# Altium PCB CH32V307V-R2-1v1.PcbDoc (part 2 of 3)
Units mm, origin at the board's own origin, x right, y up, seen from the top; angles counter-clockwise.
Board outline 80 x 115 mm, 2 copper layers (Top Layer, Bottom Layer); 122 components, 134 nets, 559 pads, 721 vias.
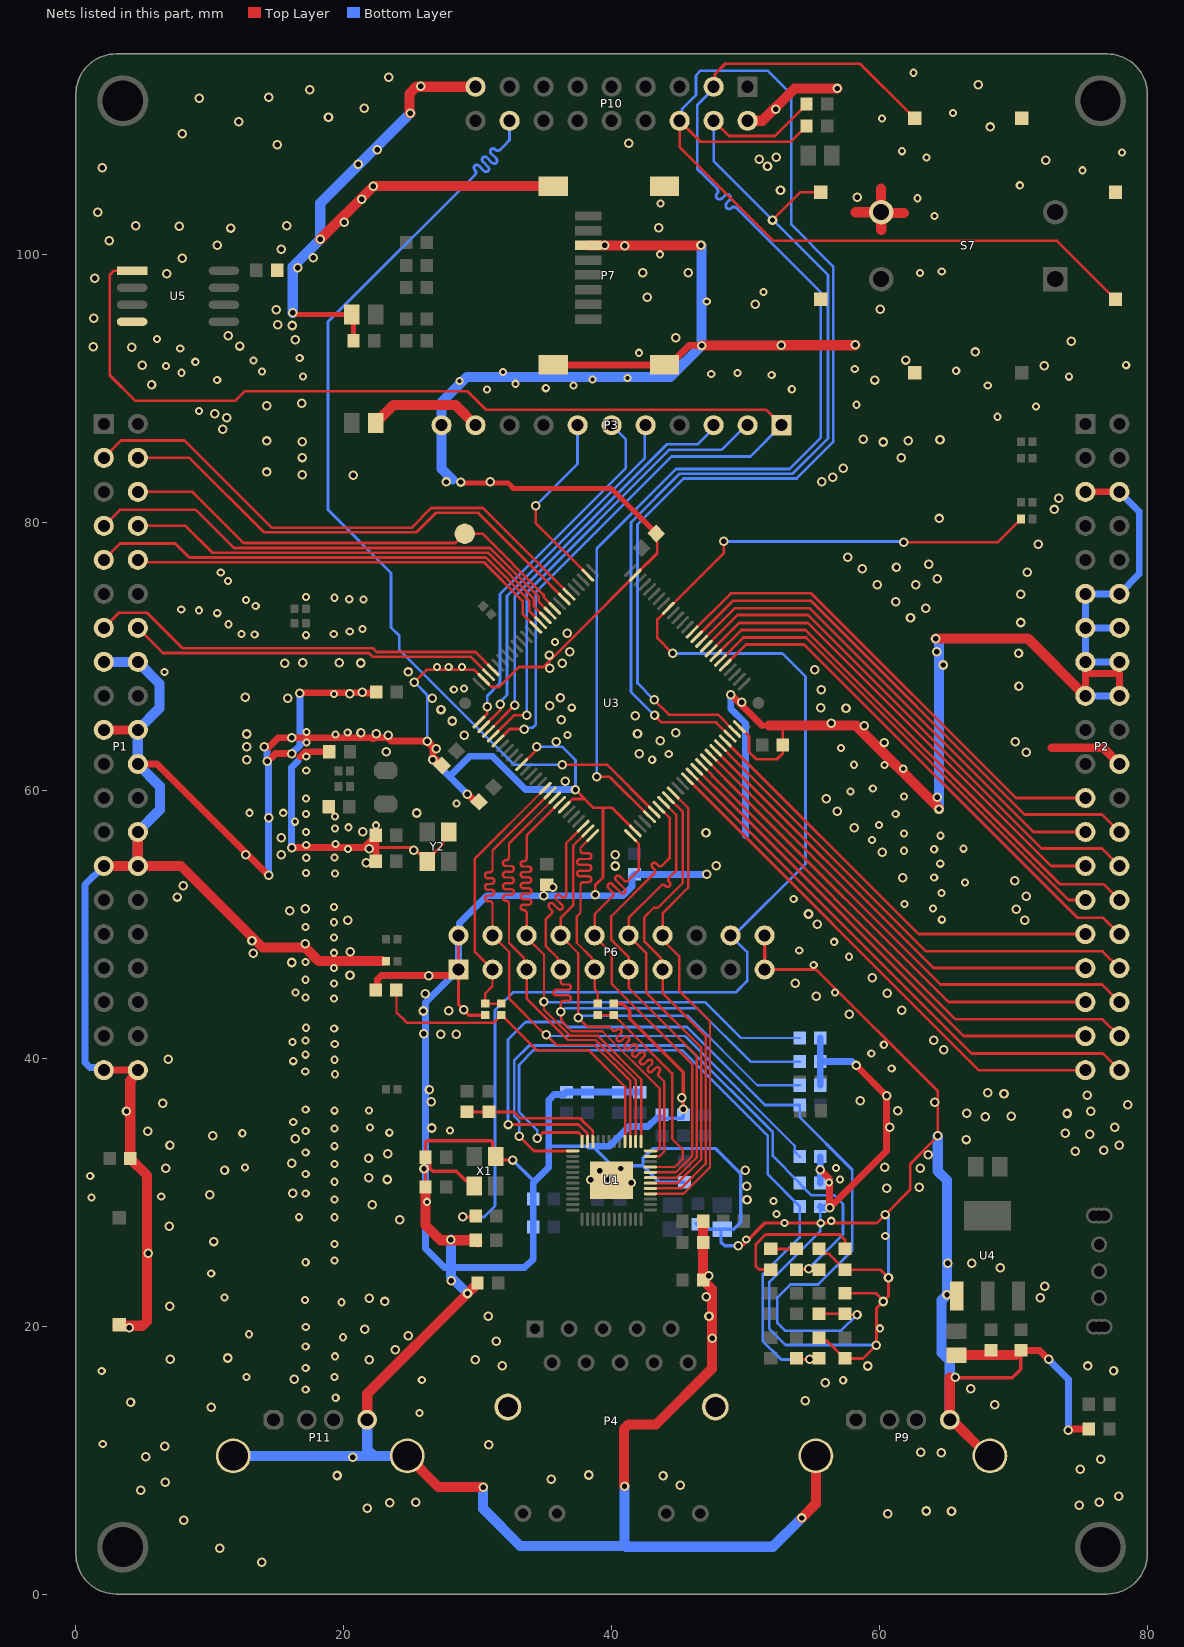
[diagram p2: the nets of this part, all layers, seen from the top]

## Via types
v1: diameter 0.711, hole 0.406, Top Layer to Bottom Layer, tented both sides, 507 vias
v2: diameter 0.61, hole 0.305, Top Layer to Bottom Layer, tented both sides, 214 vias

## Nets (pads, with @x,y where several pads share a name; then routed paths per layer and width w, separated by ;. In a path a pad name is that pad's centre, name@x,y a point inside that pad or via, vN(x,y) a via of type N, cw(c..) or ccw(c..) an arc to the next point about the centre after c; other vN are vias at no path point) (continued)
DVP_PCLK: P10.16 U3.31 | length 75.2
  Top Layer w0.203: v1(36.309,61.928) 39.654,61.928 U3.31@43.182,58.4
  Bottom Layer w0.203: P10.16@32.38,110.007 32.38,108.56 31.917,108.098 31.651,107.831 cw(c31.498,107.984) 31.345,107.831 31.304,107.872 ccw(c31.152,107.72) 30.999,107.567 31.391,107.175 cw(c31.238,107.023) 31.085,106.87 30.694,107.262 ccw(c30.541,107.109) 30.388,106.956 30.78,106.565 cw(c30.627,106.412) 30.475,106.259 30.083,106.651 ccw(c29.93,106.498) 29.778,106.346 29.819,106.305 cw(c29.666,106.152) 29.819,105.999 29.747,105.927 18.818,94.998 18.818,80.963 23.533,76.248 23.533,72.169 24.147,71.555 24.147,70.505 32.724,61.928 v1(36.309,61.928)
DVP_VSYNC: P10.3 S3.1 U3.30 | length 92.6
  Top Layer w0.203: v1(38.89,61.016) 39.859,61.016 U3.30@42.828,58.047 ; P10.3@47.62,112.547 47.721,112.649 47.721,113.501 48.484,114.264 58.545,114.264 62.228,110.581 S3.1@62.626,110.182
  Bottom Layer w0.203: v1(38.89,61.016) 38.89,78.079 44.815,84.005 53.284,84.005 55.622,86.343 55.622,97.192 49.386,103.428 49.314,103.5 ccw(c49.134,103.32) 48.955,103.5 ; P10.3@47.62,112.547 47.62,112.397 46.391,111.168 46.391,106.423 47.004,105.81 47.877,104.937 cw(c47.697,104.757) 47.877,104.578 ; 47.876,104.577 ccw(c48.056,104.397) 47.876,104.218 ccw(c48.056,104.397) 48.235,104.218 48.452,104.435 cw(c48.632,104.255) 48.812,104.435 cw(c48.632,104.255) 48.812,104.075 48.595,103.858 ccw(c48.774,103.679) 48.954,103.499
FSMC_A16: P2.27 U3.58 | length 36.3
  Top Layer w0.203: U3.58@47.425,70.421 49.512,72.509 54.668,72.509 72.816,54.36 P2.27@75.379,54.36
FSMC_A17: P2.28 U3.59 | length 39.6
  Top Layer w0.203: U3.59@47.071,70.775 49.406,73.11 54.666,73.11 72.1,55.676 76.603,55.676 P2.28@77.919,54.36
FSMC_A18: P2.25 U3.60 | length 36.6
  Top Layer w0.203: U3.60@46.718,71.128 49.202,73.613 54.785,73.613 71.497,56.9 P2.25@75.379,56.9
FSMC_CLK: P1.6 tp1.1 U3.84 | length 35.4
  Top Layer w0.203: P1.6@4.621,82.3 8.706,82.3 12.524,78.482 28.34,78.482 tp1.1@29.031,79.174 30.348,79.174 34.924,74.597 34.924,74.436 U3.84@35.757,73.603
FSMC_D0: P2.26 U3.61 | length 39.8
  Top Layer w0.203: U3.61@46.364,71.482 49.051,74.168 54.873,74.168 70.841,58.2 76.619,58.2 P2.26@77.919,56.9
FSMC_D1: P2.23 U3.62 | length 36.9
  Top Layer w0.203: U3.62@46.01,71.835 48.899,74.724 54.909,74.724 70.193,59.44 P2.23@75.379,59.44
FSMC_D2: P1.3 U3.81 | length 41.2
  Top Layer w0.203: P1.3@2.081,84.84 3.37,86.129 8.114,86.129 14.633,79.61 25.046,79.61 26.528,81.092 30.39,81.092 U3.81@36.818,74.664
FSMC_D3: P1.4 U3.82 | length 37.4
  Top Layer w0.203: P1.4@4.621,84.84 8.471,84.84 14.032,79.28 25.432,79.28 26.888,80.736 30.029,80.736 34.412,76.353 34.422,76.353 U3.82@36.464,74.31
FSMC_D4: P2.39 U3.38 | length 38.7
  Top Layer w0.203: U3.38@45.657,60.875 67.412,39.12 P2.39@75.379,39.12
FSMC_D5: P2.40 U3.39 | length 41.1
  Top Layer w0.203: U3.39@46.01,61.229 66.885,40.354 76.685,40.354 P2.40@77.919,39.12
FSMC_D6: P2.37 U3.40 | length 37.3
  Top Layer w0.203: U3.40@46.364,61.582 49.049,58.897 66.286,41.66 P2.37@75.379,41.66
FSMC_D7: P2.38 U3.41 | length 39.6
  Top Layer w0.203: U3.41@46.718,61.936 47.519,61.134 47.519,61.079 65.689,42.909 76.67,42.909 P2.38@77.919,41.66
FSMC_D8: P2.35 U3.42 | length 35.8
  Top Layer w0.203: U3.42@47.071,62.289 49.752,59.608 65.16,44.2 P2.35@75.379,44.2
FSMC_D9: P2.36 U3.43 | length 38.1
  Top Layer w0.203: U3.43@47.425,62.643 64.559,45.509 76.611,45.509 P2.36@77.919,44.2
FSMC_D10: P2.33 U3.44 | length 34.3
  Top Layer w0.203: U3.44@47.778,62.996 64.034,46.74 P2.33@75.379,46.74
FSMC_D11: P2.34 U3.45 | length 36.7
  Top Layer w0.203: U3.45@48.132,63.35 49.303,62.179 63.489,47.993 76.666,47.993 P2.34@77.919,46.74
FSMC_D12: P2.31 U3.46 | length 32.9
  Top Layer w0.203: U3.46@48.485,63.704 62.908,49.28 P2.31@75.379,49.28
FSMC_D13: P2.32 U3.55 | length 39
  Top Layer w0.203: U3.55@48.485,69.36 50.029,70.905 54.365,70.905 74.773,50.496 76.703,50.496 P2.32@77.919,49.28
FSMC_D14: P2.29 U3.56 | length 36.1
  Top Layer w0.203: U3.56@48.132,69.714 49.838,71.42 54.513,71.42 60.215,65.717 74.112,51.82 P2.29@75.379,51.82
FSMC_D15: P2.30 U3.57 | length 39.3
  Top Layer w0.203: U3.57@47.778,70.068 49.688,71.977 54.491,71.977 73.465,53.003 76.737,53.003 P2.30@77.919,51.82
FSMC_NBL0: P1.13 U3.97 | length 31.3
  Top Layer w0.203: P1.13@2.081,72.14 3.21,73.269 5.298,73.269 7.941,70.626 22.167,70.626 22.451,70.342 29.83,70.342 31.161,69.011 U3.97@31.161,69.007
FSMC_NBL1: P1.14 U3.98 | length 27.6
  Top Layer w0.203: P1.14@4.621,72.14 6.495,70.267 21.867,70.267 22.141,69.992 29.469,69.992 U3.98@30.808,68.653
FSMC_NE1_NCE2: P1.10 U3.88 | length 32.4
  Top Layer w0.203: P1.10@4.621,77.22 4.797,77.044 30.466,77.044 33.356,74.154 33.356,73.176 U3.88@34.343,72.189
FSMC_NOE: P1.7 U3.85 | length 37.2
  Top Layer w0.203: P1.7@2.081,79.76 3.279,80.958 8.956,80.958 11.802,78.111 30.907,78.111 34.569,74.45 34.569,74.085 U3.85@35.404,73.25
FSMC_NWAIT: P1.9 U3.87 | length 36
  Top Layer w0.203: P1.9@2.081,77.22 3.307,78.446 7.419,78.446 8.465,77.4 30.613,77.4 33.858,74.155 33.858,73.382 U3.87@34.697,72.542
FSMC_NWE: P1.8 U3.86 | length 33.6
  Top Layer w0.203: P1.8@4.621,79.76 8.173,79.76 10.178,77.755 30.76,77.755 34.213,74.302 34.213,73.733 34.404,73.543 U3.86@35.05,72.896
GND: C1.1 C2.1 C3.1 C4.1 C5.1 C6.1 C7.1 C8.1 C9.1 C10.2 C11.1 C12.1 C13.1 C14.1 C15.1 C16.1 C17.1 C18.2 C19.2 C20.1 C21.1 C22.1 C23.1 C24.1 C25.2 C26.1 C27.1 C28.1 C29.2 C30.1 C31.2 C32.1 C33.2 C34.1 C35.1 C36.1 C37.1 C38.1 C39.2 C40.2 C41.2 P1.15 P1.16 P1.19 P1.20 P1.22 P1.26 P1.27 P1.28 P1.39 P1.40 P2.5 P2.6 P2.11 P2.12 P2.13 P2.14 P2.15 P2.16 P2.17 P2.18 P2.22 P3.11 P4.0 P6.1 P6.2 P6.19 P6.20 P7.6 P7.10 P9.0 P9.4 P10.2 P10.17 P11.0 P11.4 pad.2 R2.2 R4.2 R7.2 R9.2 R15.2 R22.2 R23.2 R26.2 R38.2 R43.2 R47.2 R54.1 R58.1 S1.1 S3.2 S4.2 S5.2 S6.2 S7.3 U1.0 U3.10 U3.19 U3.27 U3.49 U3.74 U3.99 U4.1 U5.4 X1.2 X1.4 Y2.2 Y2.4 | length 909.4
  Top Layer w0.203: v1(25.277,68.097) 26.187,69.007 29.747,69.007 U3.99@30.454,68.3 30.461,68.3 31.028,67.733 31.583,67.733 33.071,69.22 34.909,69.22 37.663,71.973 U3.74@41.768,76.078 43.406,77.717 43.406,78.604 43.351,78.66 43.351,79.062 C26.1@43.406,79.118 ; U3.10@33.282,61.936 33.289,61.936 34.427,63.073 v1(34.427,63.273) ; U3.19@36.464,58.754 37.082,59.372 37.985,59.372 ; v1(37.302,60.068) 37.985,59.385 37.985,59.372 ; v1(38.771,52.202) 38.771,52.922 39.35,53.501 39.35,58.705 ; U3.27@41.768,56.986 40.049,58.705 39.35,58.705 ; U3.49@49.546,64.764 50.253,64.057 50.253,62.884 50.804,62.333 52.334,62.333 52.784,62.783 C37.1@52.784,63.403 52.784,64.634 ; 51.225,64.845 51.743,64.845 ; P6.19@51.43,46.634 55.267,46.634 64.359,37.542 v1(64.359,34.207) ; C18.2@55.495,25.765 55.859,25.402 56.225,25.402 57.402,24.225 R23.2@57.427,24.225 57.428,24.224 60.058,24.224 v1(60.676,23.606) 60.676,22.243 v1@60.319,21.886 ; C29.2@55.859,18.917 55.884,18.892 56.099,18.892 56.71,18.281 ; 56.286,18.705 57.402,17.589 R47.2@57.427,17.589 58.773,17.589 v1(59.772,18.588) 59.772,21.339 v1@60.319,21.886 ; v2@56.511,27.704 59.809,27.704 v1(60.442,28.337) 62.301,30.196 62.301,32.108 v1@64.379,34.187 ; C25.2@57.427,22.461 59.744,22.461 v1@60.319,21.886 ; v1(60.276,21.844) v1@60.319,21.886 ; 37.985,59.372 38.651,58.705 39.35,58.705
  Top Layer w0.254: 22.397,55.777 22.43,55.743 25.186,55.743 25.654,55.276 25.779,55.276 Y2.2@26.227,54.828 ; C13.1@26.103,30.404 C14.1@26.103,32.525 ; Y2.2@26.227,54.703 Y2.2@26.227,54.828 ; Y2.4@27.672,56.731 27.379,56.438 27.379,55.98 Y2.2@26.227,54.828 ; P6.2@28.57,49.174 P6.1@28.57,46.634 28.57,43.997 29.336,43.231 C32.1@30.564,43.231 ; X1.2@29.649,30.339 29.649,30.439 29.226,30.862 29.126,30.862 28.41,31.578 26.632,31.578 26.441,31.769 26.441,32.251 26.166,32.525 C14.1@26.103,32.525 ; X1.4@31.484,32.383 31.507,32.407 v1(32.627,32.407) ; X1.4@31.599,32.689 31.127,33.162 31.127,33.724 31.015,33.835 26.214,33.835 26.103,33.724 C14.1@26.103,32.614 C14.1@26.103,32.525 ; C34.1@40.165,44.081 40.84,44.081 41.346,43.574 41.346,42.966 45.336,38.976 v1(45.336,36.208) ; 49.83,26.083 51.451,27.704 v2@56.511,27.704 ; P6.19@51.43,46.634 P6.20@51.43,49.174 ; 65.253,16.152 69.917,16.152 70.563,16.798 C40.2@70.563,18.194
  Top Layer w0.381: v1(16.193,95.67) 16.193,95.537 C35.1@20.602,95.537 20.722,95.417 C36.1@20.722,93.583 ; v1@28.737,82.957 32.275,82.957 32.676,82.556 39.983,82.556 43.128,79.41 43.241,79.41 C26.1@43.315,79.485
  Top Layer w0.508: P1.39@2.081,39.12 P1.40@4.621,39.12 ; P1.22@4.621,61.98 6.066,61.98 v1(14.388,53.659) ; v1(14.076,63.256) 14.401,63.256 15.078,63.933 22.058,63.933 22.103,63.889 22.241,63.889 22.285,63.933 23.281,63.933 23.529,63.685 v1(26.237,63.685) ; 14.604,62.442 14.913,62.751 v1(16.101,62.751) ; v1(16.102,55.734) 21.501,55.734 C15.1@22.397,56.63 ; v1(16.723,67.272) 16.751,67.3 21.355,67.3 v1(21.383,67.327) ; 16.733,62.512 17.11,62.889 C11.1@18.928,62.889 C11.1@18.908,62.869 ; v1@21.383,67.272 22.34,67.272 C19.2@22.416,67.348 ; R38.2@22.397,45.098 22.503,45.205 22.503,45.893 22.801,46.191 28.108,46.191 P6.1@28.264,46.347 ; C16.1@22.397,54.719 22.397,55.777 C15.1@22.397,56.63 ; C15.1@22.397,56.655 C15.1@22.397,56.63 ; v1@26.44,63.561 26.385,63.506 26.385,63.467 26.649,63.203 v1(26.649,62.305) 26.936,62.305 27.334,61.907 C30.1@27.334,61.876 ; v1(29.23,59.712) 29.285,59.712 29.84,59.157 C31.2@30.101,59.157 ; P7.10@35.65,91.776 P7.10@43.95,91.776 44.325,91.776 45.775,93.226 v1(46.721,93.226) ; v1(48.895,67.132) 48.938,67.132 51.225,64.845 ; v1(55.584,31.669) 56.276,30.977 v1(56.276,28.828) 60.533,33.085 v1(60.533,37.198) 58.283,39.447 v1(58.283,39.466) ; C40.2@70.563,18.194 71.947,18.194 v1(72.626,17.515) ; v1(74.107,12.216) 74.162,12.216 74.275,12.329 R58.1@75.638,12.329 ; P2.17@75.379,67.06 75.379,68.732 77.919,68.732 P2.18@77.919,67.06 ; P2.5@75.379,82.3 P2.6@77.919,82.3
  Top Layer w0.66: P1.19@2.081,64.52 P1.20@4.621,64.52 ; 72.897,63.192 76.708,63.192 P2.22@77.919,61.98
  Top Layer w0.762: P1.27@2.081,54.36 P1.28@4.621,54.36 ; S1.1@3.124,20.032 4.974,20.032 5.308,20.367 5.308,31.26 C17.1@4.055,32.513 4.055,38.355 4.621,38.921 P1.40@4.621,39.12 ; P1.26@4.621,56.9 P1.28@4.621,54.36 ; v1(18.252,101.161) v1(22.217,105.126) P7.10@35.65,105.126 ; P11.4@21.747,13.012 21.747,14.948 v1(29.24,22.441) 29.902,23.103 29.902,23.128 C10.2@29.986,23.212 ; R54.1@22.902,47.26 18.144,47.26 17.124,48.279 13.934,48.279 7.852,54.36 P1.28@4.621,54.36 ; P11.0@24.747,10.312 27.078,7.982 v1(30.404,7.982) ; v1(24.967,110.572) 24.918,110.621 24.918,112.043 25.423,112.547 P10.17@29.84,112.547 ; C13.1@26.103,30.404 26.103,27.542 27.228,26.416 R2.2@29.849,26.416 29.849,26.391 R2.2@29.986,26.254 ; P7.6@38.25,100.701 v1(39.504,100.701) v1(46.675,100.701) ; v1(40.965,8.059) 40.919,8.105 40.919,12.319 41.254,12.654 43.315,12.654 47.487,16.827 47.487,22.776 46.832,23.43 R15.2@46.832,23.455 C21.1@46.832,26.241 C7.1@46.832,27.833 ; P7.10@43.95,105.126 P7.10@44.325,105.126 ; v1(46.721,93.226) 52.636,93.226 v1(52.655,93.244) 58.166,93.244 v1(58.189,93.267) ; P10.2@50.16,110.007 51.256,110.007 53.666,112.418 v1(56.851,112.418) ; 51.743,64.845 58.27,64.845 64.447,58.668 v1(64.447,58.616) ; v1(54.191,5.679) 55.253,6.741 P9.0@55.253,10.312 ; 58.216,103.173 60.117,103.173 S7.3@60.126,103.183 ; 60.124,104.944 60.124,103.185 S7.3@60.126,103.183 ; 60.129,101.862 S7.3@60.129,103.18 ; 61.836,103.114 60.195,103.114 S7.3@60.129,103.18 ; v1(64.204,71.341) 71.098,71.341 P2.17@75.379,67.06 ; 65.253,16.152 P9.4@65.253,13.012 65.403,13.012 67.883,10.533 P9.0@67.883,10.357 ; C39.2@65.749,17.839 C40.2@70.183,17.839 ; S7.3@60.126,103.183 S7.3@60.129,103.18
  Bottom Layer w0.203: v1(25.277,68.097) 26.237,67.138 v1(26.237,63.685) ; v1(34.427,63.273) 36.305,63.273 37.302,62.275 v1(37.302,60.068) ; R22.2@55.584,28.93 55.584,27.105 51.777,23.297 51.777,19.8 52.989,18.588 v1(59.772,18.588) ; v1(60.442,28.337) 60.676,28.104 v1@60.676,23.708
  Bottom Layer w0.254: v1(32.627,32.407) 34.156,30.878 34.156,30.721 34.152,30.716 ; 35.31,33.443 38.318,33.443 ; 38.583,33.443 40.039,31.987 42.343,31.987 ; C8.1@43.722,35.52 45.306,35.52 45.336,35.55 v1(45.336,36.208) ; C6.1@45.433,30.757 43.573,30.757 42.343,31.987 ; C4.1@46.322,27.653 46.722,27.252 C5.1@48.17,27.252 ; v1(49.467,25.996) 48.446,25.996 48.17,26.272 C5.1@48.17,27.252 ; 42.343,31.987 42.343,32.53 43.078,33.265 47.772,33.265 49.64,31.397 49.64,27.769 49.123,27.252 C5.1@48.17,27.252
  Bottom Layer w0.508: P1.39@2.081,39.12 1.891,39.31 1.061,39.31 0.687,39.685 0.687,52.966 P1.27@2.081,54.36 ; v1(14.076,63.256) 14.279,63.054 v1(14.279,62.169) 14.388,62.06 v1(14.388,53.659) ; v1(16.101,62.751) 16.723,63.373 v1(16.723,67.272) ; v1(16.102,55.734) 16.102,61.714 16.579,62.191 ; v1@26.032,43.535 25.977,43.48 25.977,43.442 26.097,43.322 26.097,42.005 26.027,41.934 26.027,41.896 26.082,41.841 26.027,41.786 26.027,41.747 26.097,41.676 26.097,31.929 26.031,31.862 26.031,31.823 26.086,31.768 26.031,31.713 26.031,31.674 26.097,31.607 26.097,25.802 27.518,24.381 28.004,24.381 33.509,24.381 34.152,25.023 C23.1@34.152,27.397 C1.1@34.152,29.489 34.152,30.716 35.31,31.875 35.31,33.443 35.31,36.891 35.71,37.29 36.441,37.29 C24.1@36.628,37.478 C22.1@38.206,37.478 C28.1@40.521,37.478 C27.1@42.03,37.478 ; v1@26.097,43.535 26.097,44.162 28.074,46.138 P6.1@28.57,46.634 P6.2@28.57,49.174 28.652,49.256 28.652,50.11 30.675,52.133 v1(34.933,52.133) 40.824,52.133 41.527,52.836 41.527,53.542 C38.1@41.718,53.732 v1(47.112,53.732) ; v1@26.544,62.398 27.887,61.055 ; v1(29.23,59.712) 27.887,61.055 ; v1(37.302,60.068) 33.585,60.068 31.103,62.55 29.383,62.55 27.887,61.055 ; 38.318,33.443 38.583,33.443 39.859,33.443 41.315,34.899 42.714,34.899 43.378,35.563 C8.1@43.722,35.563 ; C3.1@38.953,30.987 pad.2@39.782,30.987 40.387,30.987 C2.1@40.387,31.006 ; v1(48.895,67.132) 48.895,66.133 50.006,65.022 50.006,56.626 ; R22.2@55.584,28.93 55.648,28.867 56.237,28.867 v1(56.276,28.828) ; R26.2@55.584,30.681 v1(55.584,31.669) R43.2@55.584,32.656 ; R9.2@55.584,37.992 R7.2@55.584,39.753 ; R4.2@55.584,41.515 R7.2@55.584,39.753 ; 57.941,39.753 R7.2@55.584,39.753 ; v1(72.626,17.515) 74.107,16.034 v1(74.107,12.216) ; P2.18@77.919,67.06 P2.17@75.379,67.06 P2.15@75.379,69.6 ; P2.16@77.919,69.6 P2.15@75.379,69.6 ; P2.14@77.919,72.14 P2.13@75.379,72.14 ; P2.6@77.919,82.3 79.392,80.827 79.392,76.154 P2.12@77.919,74.68 P2.11@75.379,74.68 P2.13@75.379,72.14 ; P2.15@75.379,69.6 P2.13@75.379,72.14
  Bottom Layer w0.762: P1.15@2.081,69.6 P1.16@4.621,69.6 6.234,67.987 6.234,66.134 P1.20@4.621,64.52 P1.22@4.621,61.98 6.274,60.328 6.274,58.553 P1.26@4.621,56.9 P1.28@4.621,54.36 ; P11.0@11.747,10.312 22.23,10.312 ; v1(16.193,95.67) 16.193,99.102 v1(18.252,101.161) 18.252,103.857 v1(24.967,110.572) ; P11.4@21.747,13.012 21.747,10.795 22.23,10.312 ; P11.0@24.747,10.312 22.23,10.312 ; v1(28.004,26.462) 28.004,24.381 28.004,23.677 v1(29.24,22.441) ; 28.109,83.219 27.3,84.029 P3.11@27.3,87.274 27.3,88.977 29.208,90.885 44.381,90.885 v1(46.721,93.226) 46.721,100.655 v1(46.675,100.701) ; v1(30.404,7.982) 30.404,6.356 33.172,3.589 40.907,3.589 40.965,3.647 v1(40.965,8.059) ; 41.083,3.529 52.041,3.529 v1(54.191,5.679) ; v1(64.204,71.341) 64.447,71.099 v1(64.447,58.616) ; v1(64.359,34.207) 64.359,31.577 65.045,30.892 v1(65.045,22.351) 64.642,21.948 64.642,18.024 65.253,17.413 P9.4@65.253,13.012
  other v1: 13.885,2.377 10.725,3.431 8.059,5.507 60.629,5.991 65.38,6.174 63.49,6.201 21.743,6.417 74.918,6.639 23.435,6.832 25.38,6.838 76.426,6.847 77.881,7.315 4.841,7.747 45.128,8.126 6.672,8.357 35.505,8.576 43.839,8.831 19.497,8.85 38.301,8.889 74.997,9.33 76.53,10.07 20.682,10.222 5.204,10.238 64.619,10.558 63.096,10.584 6.646,11.047 30.825,11.158 10.118,13.934 68.602,14.134 4.078,14.318 54.446,14.418 66.825,15.336 55.95,15.768 16.301,16.044 65.674,16.173 77.478,16.686 31.847,17.039 59.141,17.026 75.551,17.029 21.906,17.506 29.812,17.506 7.047,17.544 11.325,17.625 23.855,18.241 31.373,18.891 47.516,19.107 24.811,19.271 21.58,19.755 3.972,19.876 30.787,20.729 47.273,20.754 6.998,21.489 23.046,21.845 21.904,22.072 72.004,22.137 47.057,22.211 72.331,22.995 28.032,23.39 47.246,23.75 69.007,24.367 65.102,24.713 66.891,24.713 5.412,25.455 10.306,26.322 6.972,27.473 24.166,27.962 22.128,29.079 50.11,29.443 10.01,29.8 16.197,29.916 60.545,30.285 62.957,30.38 50.076,30.448 41.454,30.709 23.246,30.953 38.43,30.939 21.867,31.096 39.129,31.612 49.974,31.642 11.097,31.655 25.992,31.768 40.695,31.773 6.703,31.781 63.055,31.793 60.387,31.872 16.129,32.169 21.849,32.541 63.647,32.811 23.279,32.892 74.628,33.06 76.743,33.144 77.916,33.502 7.025,33.509 66.468,33.938 16.394,33.996 10.207,34.219 75.701,34.317 73.871,34.412 5.356,34.568 26.565,34.798 60.783,34.846 77.558,34.871 67.908,35.646 69.832,35.676 74.006,35.881 66.518,35.913 3.777,36.054 75.766,36.044 61.378,36.076 78.535,36.532 6.499,36.639 64.139,36.72 26.533,36.77 58.57,36.826 45.248,37.046 75.521,37.251 69.299,37.363 68.086,37.422 26.401,37.657 6.909,39.935 64.797,40.636 64.05,41.348 28.397,41.799 27.234,41.813 25.988,41.841 57.728,43.281 25.939,43.535 27.848,43.569 61.662,43.578 28.953,43.614 55.291,44.629 26.092,44.814 60.594,44.848 53.721,45.608 59.453,46.027 26.358,46.151 20.467,46.188 16.106,47.156 13.241,47.845 20.492,47.956 17.137,48.55 13.148,48.79 55.347,50.022 20.286,50.305 70.856,50.322 54.702,50.777 15.974,51.017 70.225,51.117 17.137,51.182 7.568,52.045 70.965,52.109 35.607,52.759 8.025,52.879 70.098,53.264 61.735,53.495 40.266,54.362 47.8,54.385 21.675,54.592 12.668,55.204 15.345,55.216 40.275,55.2 60.194,55.374 25.243,55.528 21.89,55.644 15.328,56.48 47.049,56.832 21.405,56.924 58.125,57.21 14.395,57.975 25.458,58.319 56.859,58.456 56.035,59.384 64.326,59.491 36.541,60.699 12.773,62.286 42.057,62.73 70.96,62.865 23.164,62.904 26.894,63.13 12.773,63.252 60.35,63.581 35.869,63.641 70.129,63.639 43.626,63.718 16.128,63.923 29.007,64.124 23.329,64.135 12.773,64.217 22.413,64.226 41.933,64.25 21.286,64.301 44.8,64.299 58.88,64.818 56.406,65.028 28.109,65.188 36.229,65.286 41.781,65.586 27.262,66.046 57.503,66.148 55.613,66.171 35.37,66.324 49.727,66.602 15.83,66.895 26.609,66.902 12.643,66.952 36.183,66.93 20.463,67.226 55.66,67.525 70.418,67.8 24.804,68.849 55.168,69.006 35.383,69.124 64.778,69.371 15.605,69.512 21.263,69.519 36.323,69.517 16.945,69.533 19.679,69.546 35.336,70.116 70.384,70.24 36.884,70.351 64.266,70.351 36.688,71.74 70.556,72.543 62.319,72.882 63.441,73.605 61.222,74.079 70.556,74.639 59.826,75.35 62.718,75.375 64.313,75.824 71.037,76.289 58.705,76.546 61.272,76.671 63.665,76.895 57.633,77.419 71.854,78.397 64.463,80.31 73.037,80.983 73.386,81.806 27.641,83.037 28.737,83.033 30.949,83.056 55.682,83.04 56.511,83.392 16.902,83.56 20.721,83.541 14.261,83.782 57.29,84.07 61.621,84.847 16.902,84.862 60.283,86.021 16.902,86.032 14.247,86.097 62.152,86.117 64.521,86.194 58.786,86.224 10.948,86.965 11.247,87.845 10.381,88.133 14.247,88.737 16.872,88.906 5.647,90.302 59.664,90.65 4.939,91.736 72.318,91.731 61.973,92.143 67.148,92.743 4.181,93.096 1.281,93.134 12.232,93.188 74.332,93.543 16.395,93.67 44.795,93.791 11.373,93.956 16.149,94.721 15.076,94.765 1.324,95.259 14.971,95.912 60.071,95.921 50.724,96.305 42.661,96.817 1.423,98.239 6.797,98.578 42.342,98.645 45.722,98.645 16.578,99.02 7.929,99.735 17.726,99.788 15.328,100.42 40.992,100.678 10.538,100.719 2.491,101.039 11.547,101.999 43.51,102.018 7.732,102.122 4.459,102.171 15.754,102.164 20.028,102.42 1.619,103.185 21.331,104.146 58.333,104.306 52.611,104.822 1.979,106.494 51.641,106.6 21.066,106.771 72.406,107.056 51.022,107.138 52.298,107.298 22.512,107.859 15.046,108.231 41.266,108.321 7.93,109.04 68.259,109.544 12.164,109.923 18.861,110.275 52.245,110.857 21.546,110.946 9.194,111.702 14.397,111.765 17.468,112.323 25.733,112.587 67.37,112.684 23.369,113.273
  other v2: 2.006,11.207 25.666,13.526 19.396,14.658 17.159,15.281 25.829,15.972 57.293,15.96 19.304,16.196 12.732,16.215 1.924,16.647 17.159,16.888 19.346,17.749 17.159,18.495 19.936,19.171 12.933,19.396 60.04,19.841 17.161,19.951 19.82,21.785 17.109,21.95 11.087,22.132 10.101,23.923 17.159,24.771 19.304,24.916 19.304,26.141 50.054,26.481 60.433,26.73 55.616,27.69 52.907,27.713 56.4,27.869 16.651,28.138 19.304,28.134 52.323,28.364 26.218,29.288 52.092,29.342 19.304,29.46 1.169,29.614 6.372,29.682 17.159,29.897 56.229,30.726 19.304,30.786 57.042,30.956 1.067,31.213 17.159,31.352 56.763,31.81 12.63,31.859 19.304,32.113 17.159,32.959 19.304,33.439 12.426,34.409 23.402,34.448 17.159,34.566 27.931,34.603 19.304,34.766 21.97,34.835 16.231,35.234 19.304,36.092 21.892,36.113 17.159,36.173 19.342,38.809 17.124,39.018 60.915,39.249 16.23,39.787 19.3,39.897 17.152,40.274 59.393,40.371 60.327,41.014 19.328,41.069 16.182,41.225 17.152,41.334 19.286,42.227 17.18,42.282 19.269,44.459 17.137,44.549 16.395,44.922 56.687,44.908 19.269,45.599 17.137,45.866 19.269,46.739 55.089,46.963 17.137,47.182 57.716,47.586 19.269,47.879 54.012,48.059 56.62,48.701 19.269,49.019 17.137,49.815 19.269,50.159 64.657,50.354 63.998,51.195 19.269,51.299 61.868,51.528 53.596,51.895 64.627,52.356 66.394,53.126 64.087,53.503 19.335,53.792 17.189,53.839 64.539,54.535 17.201,54.976 19.316,54.988 61.824,55.5 20.309,55.62 64.087,55.611 66.283,55.655 17.201,55.936 19.373,56.014 59.446,56.301 64.568,56.625 61.841,56.788 17.176,56.909 19.354,57.172 20.359,57.25 22.397,57.399 59.975,57.42 16.349,57.67 19.354,58.065 17.189,58.235 61.212,58.244 12.958,58.332 15.482,58.332 28.41,59.027 17.189,59.397 61.824,59.56 57.826,59.923 59.504,60.158 17.201,61.494 61.779,61.623 60.388,61.895 58.091,61.925 43.03,62.297 17.201,62.542 44.264,62.721 57.12,63.161 17.214,63.578 36.7,64.135 19.378,64.18 20.295,64.331 17.214,64.374 37.024,66.183 19.282,67.211 28.217,67.552 28.974,67.606 6.622,68.843 26.957,69.214 27.836,69.224 28.832,69.23 35.781,71.077 17.188,71.595 13.349,71.642 12.372,71.679 19.254,71.686 20.449,71.862 21.394,72.047 11.396,72.412 10.551,73.238 9.199,73.454 7.864,73.526 13.424,73.782 12.692,74.223 21.468,74.252 20.412,74.28 19.319,74.391 17.188,74.446 11.349,75.65 10.814,76.289 68.816,87.908 9.189,88.334 71.679,88.671 58.282,88.801 30.693,89.934 53.457,89.958 35.088,90.04 37.161,90.243 68.085,90.23 32.813,90.365 28.651,90.58 10.55,90.648 38.583,90.69 41.184,90.812 74.161,90.898 16.946,90.92 51.954,91.015 47.443,91.096 49.394,91.178 7.896,91.193 31.892,91.251 13.884,91.295 65.731,91.344 58.153,91.471 6.739,91.703 78.423,91.757 8.916,92.009 13.272,92.111 16.708,92.281 42.038,92.681 7.793,92.996 6.058,93.711 47.106,96.505 51.352,97.221 63.018,98.632 64.655,98.758 43.619,100.037 64.116,102.898 43.663,103.837 62.843,104.222 70.482,105.189 75.167,106.31 63.505,107.277 78.12,107.634 61.672,107.735 60.195,110.18 65.491,110.587 62.538,113.592
GPHY_RGMII_MCO: P6.18 R14.2 R48.2 U3.67 | length 108.2
  Top Layer w0.203: v1(28.886,28.16) 29.79,28.16 R14.2@29.849,28.219 ; v1(44.562,70.234) 43.415,71.381 43.415,72.775 U3.67@44.243,73.603 48.38,77.741 v1(48.38,78.599) ; v1(61.799,78.545) 68.846,78.545 70.343,80.041 70.368,80.041 70.566,80.24 R48.2@70.566,80.265
  Bottom Layer w0.203: v1(28.886,28.16) 30.481,28.16 31.289,28.968 31.289,43.59 32.628,44.929 49.271,44.929 50.125,45.782 50.125,47.94 P6.18@48.89,49.174 49.123,49.174 54.475,54.527 54.475,68.518 52.759,70.234 v1(44.562,70.234) ; v1(48.38,78.599) 61.745,78.599 v1(61.799,78.545)
GPHY_RGMII_RXC: R38.1 R49.1 U1.28 | length 25.7
  Top Layer w0.178: R38.1@23.937,45.098 23.937,43.441 23.937,43.416 24.313,43.04 24.338,43.04 24.729,42.648 31.187,42.648 31.522,42.983 31.522,43.02 31.733,43.231 31.783,43.231 31.994,43.02 31.994,43.01 34.387,40.616 38.269,40.616 41.018,37.867 41.018,33.804 U1.28@41,33.786
GPHY_RGMII_RXC_P: C32.2 P6.3 R49.2 U3.15 | length 20.3
  Top Layer w0.178: R49.2@31.758,44.081 C32.2@30.564,44.081 30.564,44.853 31.11,45.399 P6.3@31.11,46.634 29.769,47.976 29.769,54.886 U3.15@35.05,60.168
GPHY_RGMII_RXD0: P6.5 U1.26 U3.17 | length 36.8
  Top Layer w0.178: P6.5@33.365,46.349 P6.5@33.5,46.214 ; U3.17@35.757,59.461 32.335,56.039 32.335,55.363 32.335,55.01 cw(c32.119,55.01) 32.119,54.794 32.097,54.794 ccw(c32.097,54.578) 32.097,54.362 32.497,54.362 cw(c32.497,54.146) 32.497,53.93 32.097,53.93 ccw(c32.097,53.714) 32.097,53.498 32.497,53.498 cw(c32.497,53.283) 32.497,53.067 32.097,53.067 ccw(c32.097,52.851) 32.097,52.635 32.497,52.635 cw(c32.497,52.419) 32.497,52.203 32.097,52.203 ccw(c32.097,51.987) 32.097,51.771 32.119,51.771 cw(c32.119,51.555) 32.335,51.555 32.335,51.466 32.335,48.612 33.463,47.484 33.463,46.821 P6.5@33.65,46.634 33.65,44.464 36.747,41.367 38.803,41.367 41.8,38.37 U1.26@41.8,33.786
GPHY_RGMII_RXD1: P6.6 R4.1 U1.25 U3.18 | length 56.8
  Top Layer w0.178: U3.18@36.111,59.107 34.948,57.944 33.65,56.646 33.65,55.258 33.65,54.932 cw(c33.447,54.932) 33.447,54.729 33.415,54.729 ccw(c33.415,54.526) 33.415,54.323 33.808,54.323 cw(c33.808,54.119) 33.808,53.916 33.415,53.916 ccw(c33.415,53.713) 33.415,53.51 33.808,53.51 cw(c33.808,53.307) 33.808,53.103 33.415,53.103 ccw(c33.415,52.9) 33.415,52.697 33.808,52.697 cw(c33.808,52.494) 33.808,52.291 33.415,52.291 ccw(c33.415,52.087) 33.415,51.884 33.808,51.884 cw(c33.808,51.681) 33.808,51.478 33.415,51.478 ccw(c33.415,51.275) 33.415,51.071 33.447,51.071 cw(c33.447,50.868) 33.65,50.868 33.65,50.779 P6.6@33.65,49.174 33.65,49.034 34.95,47.733 v1(34.95,44.221) 34.95,43.631 36.884,41.698 38.94,41.698 42.2,38.437 U1.25@42.2,33.786
  Bottom Layer w0.178: v1(34.95,44.221) 34.995,44.177 46.999,44.177 49.661,41.515 R4.1@54.044,41.515
GPHY_RGMII_RXD2: P6.7 R7.1 U1.24 U3.23 | length 56.3
  Top Layer w0.178: U3.23@37.879,57.34 37.07,56.531 36.608,56.069 36.608,52.472 36.608,52.204 cw(c36.405,52.204) 36.262,52.06 36.159,52.163 ccw(c36.015,52.019) 35.871,52.163 ccw(c36.015,52.019) 35.871,51.876 36.297,51.45 cw(c36.154,51.306) 36.297,51.162 cw(c36.154,51.306) 36.01,51.162 35.635,51.538 ccw(c35.491,51.394) 35.347,51.538 ccw(c35.491,51.394) 35.347,51.25 35.511,51.087 cw(c35.367,50.943) 35.511,50.799 35.448,50.736 35.074,50.362 35.074,48.389 35.986,47.476 35.986,46.838 P6.7@36.19,46.634 36.209,46.615 36.209,45.806 36.209,45.717 ccw(c36.412,45.717) 36.412,45.514 36.756,45.514 cw(c36.756,45.311) 36.756,45.108 35.844,45.108 ccw(c35.844,44.905) 35.844,44.701 36.756,44.701 cw(c36.756,44.498) 36.756,44.295 36.412,44.295 ccw(c36.412,44.092) 36.209,44.092 36.209,43.479 36.209,43.477 36.228,43.458 36.228,42.82 37.02,42.028 39.303,42.028 43.594,37.737 43.594,33.274 43.415,33.094 42.908,33.094 U1.24@42.9,33.086
  Bottom Layer w0.178: v1(36.195,43.485) 36.293,43.485 36.54,43.731 46.392,43.731 50.37,39.753 R7.1@54.044,39.753
GPHY_RGMII_RXD3: P6.8 R9.1 U1.23 U3.24 | length 55.3
  Top Layer w0.178: U3.24@38.232,56.986 37.122,55.876 37.122,51.417 36.19,50.485 P6.8@36.19,49.174 37.516,47.849 v1(37.516,43.028) 38.174,42.37 39.818,42.37 40.016,42.171 40.079,42.108 ccw(c40.223,42.252) 40.366,42.108 40.406,42.148 cw(c40.55,42.005) 40.694,42.148 cw(c40.55,42.005) 40.694,41.861 40.441,41.608 ccw(c40.585,41.465) 40.441,41.321 ccw(c40.585,41.465) 40.728,41.321 40.981,41.574 cw(c41.125,41.43) 41.268,41.574 cw(c41.125,41.43) 41.268,41.286 41.016,41.034 ccw(c41.159,40.89) 41.016,40.746 ccw(c41.159,40.89) 41.303,40.746 41.556,40.999 cw(c41.699,40.855) 41.843,40.712 41.59,40.459 ccw(c41.734,40.315) 41.59,40.171 ccw(c41.734,40.315) 41.878,40.171 42.131,40.424 cw(c42.274,40.281) 42.418,40.424 cw(c42.274,40.281) 42.418,40.137 42.165,39.884 ccw(c42.309,39.74) 42.165,39.597 ccw(c42.309,39.74) 42.452,39.597 42.705,39.85 cw(c42.849,39.706) 42.993,39.85 cw(c42.849,39.706) 42.993,39.562 42.74,39.309 ccw(c42.883,39.166) 42.74,39.022 ccw(c42.883,39.166) 43.027,39.022 43.28,39.275 cw(c43.424,39.131) 43.567,39.275 cw(c43.424,39.131) 43.567,38.987 43.527,38.947 ccw(c43.671,38.804) 43.527,38.66 43.926,38.261 43.926,37.749 43.926,33.048 43.565,32.686 U1.23@42.9,32.686
  Bottom Layer w0.178: v1(37.516,43.028) 37.66,43.028 37.807,43.174 45.692,43.174 50.875,37.992 R9.1@54.044,37.992
GPHY_RGMII_RXDV: P6.4 R43.1 U1.27 U3.16 | length 59.5
  Top Layer w0.178: v1@35.128,41.716 35.166,41.716 35.887,40.995 38.708,40.995 41.4,38.303 U1.27@41.4,33.786 ; v1(35.128,41.754) 35.052,41.754 32.367,44.438 32.367,47.917 P6.4@31.11,49.174 31.11,51.42 31.11,51.509 ccw(c30.894,51.509) 30.894,51.725 30.758,51.725 cw(c30.758,51.94) 30.758,52.156 31.021,52.156 ccw(c31.021,52.372) 31.021,52.588 30.758,52.588 cw(c30.758,52.804) 30.758,53.02 31.021,53.02 ccw(c31.021,53.236) 31.021,53.452 30.758,53.452 cw(c30.758,53.668) 30.758,53.884 30.894,53.884 ccw(c30.894,54.099) 31.11,54.099 31.11,54.435 31.11,55.521 U3.16@35.404,59.814
  Bottom Layer w0.178: v1(35.128,41.754) 35.206,41.676 35.206,41.668 45.479,41.668 53.668,33.479 53.668,33.032 R43.1@54.044,32.656
GPHY_RGMII_TXC: C34.2 R50.1 U1.21 | length 16.7
  Top Layer w0.178: R50.1@38.971,43.231 40.19,43.231 40.401,43.02 40.401,42.995 44.516,38.88 44.516,33.991 45.299,33.208 45.299,32.468 44.717,31.886 U1.21@42.9,31.886
GPHY_RGMII_TXC_P: P6.9 R50.2 U3.25 | length 18.5
  Top Layer w0.178: U3.25@38.586,56.633 38.518,56.565 37.675,55.722 37.675,55.529 ccw(c37.891,55.529) 37.891,55.313 38.272,55.313 cw(c38.272,55.097) 38.272,54.882 37.643,54.882 ccw(c37.643,54.666) 37.643,54.45 38.272,54.45 cw(c38.272,54.234) 38.272,54.018 37.643,54.018 ccw(c37.643,53.802) 37.643,53.586 38.272,53.586 cw(c38.272,53.37) 38.272,53.154 37.891,53.154 ccw(c37.891,52.938) 37.675,52.938 37.675,52.429 37.675,52.418 37.675,50.874 37.396,50.595 37.396,48.627 38.539,47.484 38.539,46.825 P6.9@38.73,46.634 38.73,45.185 38.971,44.944 R50.2@38.971,44.081
GPHY_RGMII_TXD0: P6.11 U1.19 U3.32 | length 35.8
  Top Layer w0.178: P6.11@41.095,46.452 41.27,46.277 41.27,45.265 46.359,40.176 46.359,32.594 44.851,31.086 U1.19@42.9,31.086 ; P6.11@41.27,46.634 41.27,47.555 39.987,48.837 39.987,50.608 43.138,53.758 43.201,53.821 ccw(c43.057,53.965) 43.201,54.109 43.054,54.256 cw(c43.197,54.4) 43.054,54.543 cw(c43.197,54.4) 43.341,54.543 43.488,54.396 ccw(c43.632,54.54) 43.776,54.396 44.012,54.632 44.016,54.637 44.331,54.951 44.331,57.959 U3.32@43.536,58.754
GPHY_RGMII_TXD1: P6.12 U1.18 U3.33 | length 35.9
  Top Layer w0.178: U1.18@42.9,30.686 44.918,30.686 46.689,32.457 46.689,40.802 42.578,44.912 42.578,47.866 P6.12@41.27,49.174 41.27,50.472 43.351,52.553 43.702,52.904 cw(c43.845,52.76) 43.989,52.904 44.036,52.857 ccw(c44.18,53) 44.323,52.857 ccw(c44.18,53) 44.323,53.144 44.276,53.191 cw(c44.42,53.335) 44.276,53.478 44.798,54 44.813,54.015 44.813,58.183 U3.33@43.889,59.107
GPHY_RGMII_TXD2: P6.13 U1.17 U3.34 | length 35.9
  Top Layer w0.178: U1.17@42.9,30.286 45.173,30.286 47.019,32.133 47.019,41.669 43.81,44.879 P6.13@43.81,46.634 43.679,46.765 43.679,47.484 42.451,48.712 42.451,50.557 43.143,51.25 43.466,51.25 45.321,53.105 45.321,58.382 U3.34@44.243,59.461
GPHY_RGMII_TXD3: P6.14 U1.16 U3.35 | length 35.9
  Top Layer w0.178: U1.16@42.9,29.886 45.363,29.886 47.349,31.872 47.349,42.767 45.042,45.074 45.042,47.62 43.81,48.852 43.81,50.827 45.728,52.744 45.728,58.683 U3.35@44.596,59.814
GPHY_RGMII_TXEN: P6.10 U1.20 U3.26 | length 35.9
  Top Layer w0.178: U3.26@41.414,56.633 42.016,56.03 42.016,54.137 42.016,54.048 41.228,53.26 cw(c41.085,53.404) 40.941,53.26 40.618,53.583 ccw(c40.474,53.439) 40.331,53.583 ccw(c40.474,53.439) 40.331,53.296 40.98,52.647 cw(c40.836,52.503) 40.98,52.359 cw(c40.836,52.503) 40.692,52.359 40.041,53.011 ccw(c39.897,52.867) 39.753,53.011 ccw(c39.897,52.867) 39.753,52.724 40.079,52.398 cw(c39.935,52.254) 40.079,52.111 40.016,52.048 38.73,50.762 38.73,49.101 40.013,47.818 40.013,45.553 46.028,39.537 46.028,32.73 44.784,31.486 U1.20@42.9,31.486
I2C2_SCL: P10.4 R51.1 S5.1 U3.47 | length 78.9
  Top Layer w0.203: v1(43.205,65.605) 43.717,65.092 47.804,65.092 U3.47@48.839,64.057 ; P10.4@47.62,110.007 48.764,108.864 52.188,108.864 54.552,111.227 R51.1@54.552,111.252 ; v1(52.015,102.596) 54.092,104.674 S5.1@55.627,104.674
  Bottom Layer w0.203: v1(43.205,65.605) 41.444,67.366 41.444,80.021 45.072,83.649 53.504,83.649 56.153,86.298 56.153,98.483 47.62,107.016 P10.4@47.62,110.007
I2C2_SDA: P10.6 R52.1 S6.1 U3.48 | length 126.7
  Top Layer w0.203: v1(43.176,66.773) 44.287,65.662 47.941,65.662 U3.48@49.192,64.411 ; R52.1@54.552,109.615 53.368,108.431 46.657,108.431 P10.6@45.08,110.007 45.08,108.033 52.073,101.04 73.259,101.04 S6.1@77.626,96.674
  Bottom Layer w0.203: v1(43.176,66.773) 41.933,68.016 41.933,79.848 45.378,83.294 53.816,83.294 56.547,86.025 56.547,99.142 53.422,102.267 53.422,111.955 51.632,113.745 46.652,113.745 46.3,113.392 46.3,111.92 45.252,110.871 45.252,110.179 P10.6@45.08,110.007
INTB: R16.1 R17.1 U1.34 | length 10.7
  Top Layer w0.203: R17.1@29.293,35.971 29.322,36 R16.1@30.856,36 32.715,36 33.198,35.517 37.657,35.517 38.6,34.574 U1.34@38.6,33.786
LCD_BLK: P3.5 U3.2 | length 27.5
  Top Layer w0.203: U3.2@30.454,64.764 31.699,66.009 v1(31.699,66.446)
  Bottom Layer w0.203: v1(31.699,66.446) 31.699,66.647 32.188,67.136 32.188,74.533 42.481,84.826 42.481,87.215 P3.5@42.54,87.274
LCD_CS1: P3.3 U3.3 | length 31.2
  Top Layer w0.203: U3.3@30.808,64.411 v1(32.766,66.369)
  Bottom Layer w0.203: v1(32.766,66.369) 32.766,74.473 44.155,85.862 46.44,85.862 47.62,87.042 P3.3@47.62,87.274
LCD_CS2: P3.2 U3.4 | length 34.1
  Top Layer w0.203: U3.4@31.161,64.057 32.712,65.608 v1(33.655,65.608)
  Bottom Layer w0.203: v1(33.655,65.608) 33.655,74.767 44.334,85.446 48.231,85.446 50.16,87.375 P3.2@50.16,87.274
LCD_DC: P3.6 U3.1 | length 27.1
  Top Layer w0.203: U3.1@30.101,65.118 30.718,65.735 v1(30.718,66.263)
  Bottom Layer w0.203: v1(30.718,66.263) 30.718,67.074 31.659,68.016 31.659,74.667 41.065,84.073 41.065,86.209 P3.6@40,87.274
LCD_INT: P3.1 U3.5 U5.1 | length 98.3
  Top Layer w0.203: U5.1@4.196,98.811 2.843,98.811 2.529,98.498 2.529,91.003 4.427,89.106 11.92,89.106 12.628,89.814 29.222,89.814 30.602,88.434 51.54,88.434 P3.1@52.7,87.274 ; U3.5@31.515,63.704 32.397,64.586 v1(33.48,64.586)
  Bottom Layer w0.203: v1(33.48,64.586) 33.577,64.683 34.085,64.683 34.342,64.941 34.342,74.806 44.476,84.939 50.365,84.939 P3.1@52.7,87.274
LCD_RST: P3.7 U3.77 | length 14.1
  Top Layer w0.203: v1(34.331,81.257) 34.331,79.986 38.232,76.085 U3.77@38.232,76.078
  Bottom Layer w0.203: v1(34.331,81.257) 37.46,84.386 P3.7@37.46,87.274
LCD_VCC: F2.1 P3.10 | length 8.7
  Top Layer w0.762: F2.1@22.382,87.434 22.382,87.589 22.581,87.788 22.736,87.788 23.737,88.79 28.325,88.79 P3.10@29.84,87.274
LED0/PHYAD0: C25.1 R30.2 R33.2 U1.35 | length 69
  Top Layer w0.203: v1(32.267,35.058) 37.525,35.058 38.197,34.387 38.197,33.79 U1.35@38.2,33.786 ; R30.2@55.495,20.921 C25.1@57.427,20.921 57.498,20.85 v1(58.325,20.85)
  Bottom Layer w0.203: v1(32.267,35.058) 32.267,41.414 33.572,42.719 36.316,42.719 36.693,42.341 45.618,42.341 51.446,36.513 R33.2@54.044,36.513 54.044,35.606 57.967,31.683 57.967,25.652 55.427,23.112 53.345,23.112 52.376,22.143 52.376,20.228 52.939,19.665 57.14,19.665 v1(58.325,20.85)
LED1/CFG_LDO0: C29.1 R22.1 R40.2 U1.36 | length 55.1
  Top Layer w0.203: v1(34.456,34.047) 34.863,34.454 37.527,34.454 37.8,34.181 U1.36@37.8,33.786 ; R40.2@53.817,17.589 53.891,17.515 v1(54.798,17.515) 54.871,17.589 54.945,17.515 55.421,17.515 C29.1@55.495,17.589
  Bottom Layer w0.203: v1(34.456,34.047) 34.456,34.62 33.078,35.998 33.078,39.507 34.181,40.61 45.264,40.61 51.664,34.21 51.664,31.336 54.044,28.955 R22.1@54.044,28.93 54.044,26.619 51.277,23.851 51.277,18.908 52.669,17.515 v1(54.798,17.515)
LED2/CFG_LDO1: C18.1 R19.2 R26.1 U1.37 | length 48.8
  Top Layer w0.203: v1(33.112,34.175) 34.2,33.086 U1.37@37.1,33.086 ; R19.2@53.817,24.225 C18.1@55.495,24.225
  Bottom Layer w0.203: v1(33.112,34.175) 33.112,35.297 32.722,35.687 32.722,39.839 33.849,40.966 45.558,40.966 52.042,34.481 52.042,32.709 54.044,30.706 R26.1@54.044,30.681 54.044,30.656 54.929,29.772 56.635,29.772 57.283,29.123 57.283,26.856 v1(54.716,24.289)
LED_blue_n: D1.K R23.1 | length 10.7
  Top Layer w0.203: D1.K@51.886,24.225 51.012,24.225 50.773,24.465 50.773,26.117 51.497,26.841 57.03,26.841 57.427,26.444 R23.1@57.427,25.765
LED_blue_p: D1.A R19.1 | length 1.9
  Top Layer w0.203: D1.A@51.886,25.765 R19.1@53.817,25.765